# Altium PCB PCB2.PcbDoc (part 1 of 5)
Units mil, origin at the board's own origin, x right, y up, seen from the top; angles counter-clockwise.
Board outline 7251.01 x 4901 mil, 2 copper layers (Top Layer, Bottom Layer); 561 components, 222 nets, 3589 pads, 148 vias.
Unrouted connection lines stored in the file: 457.
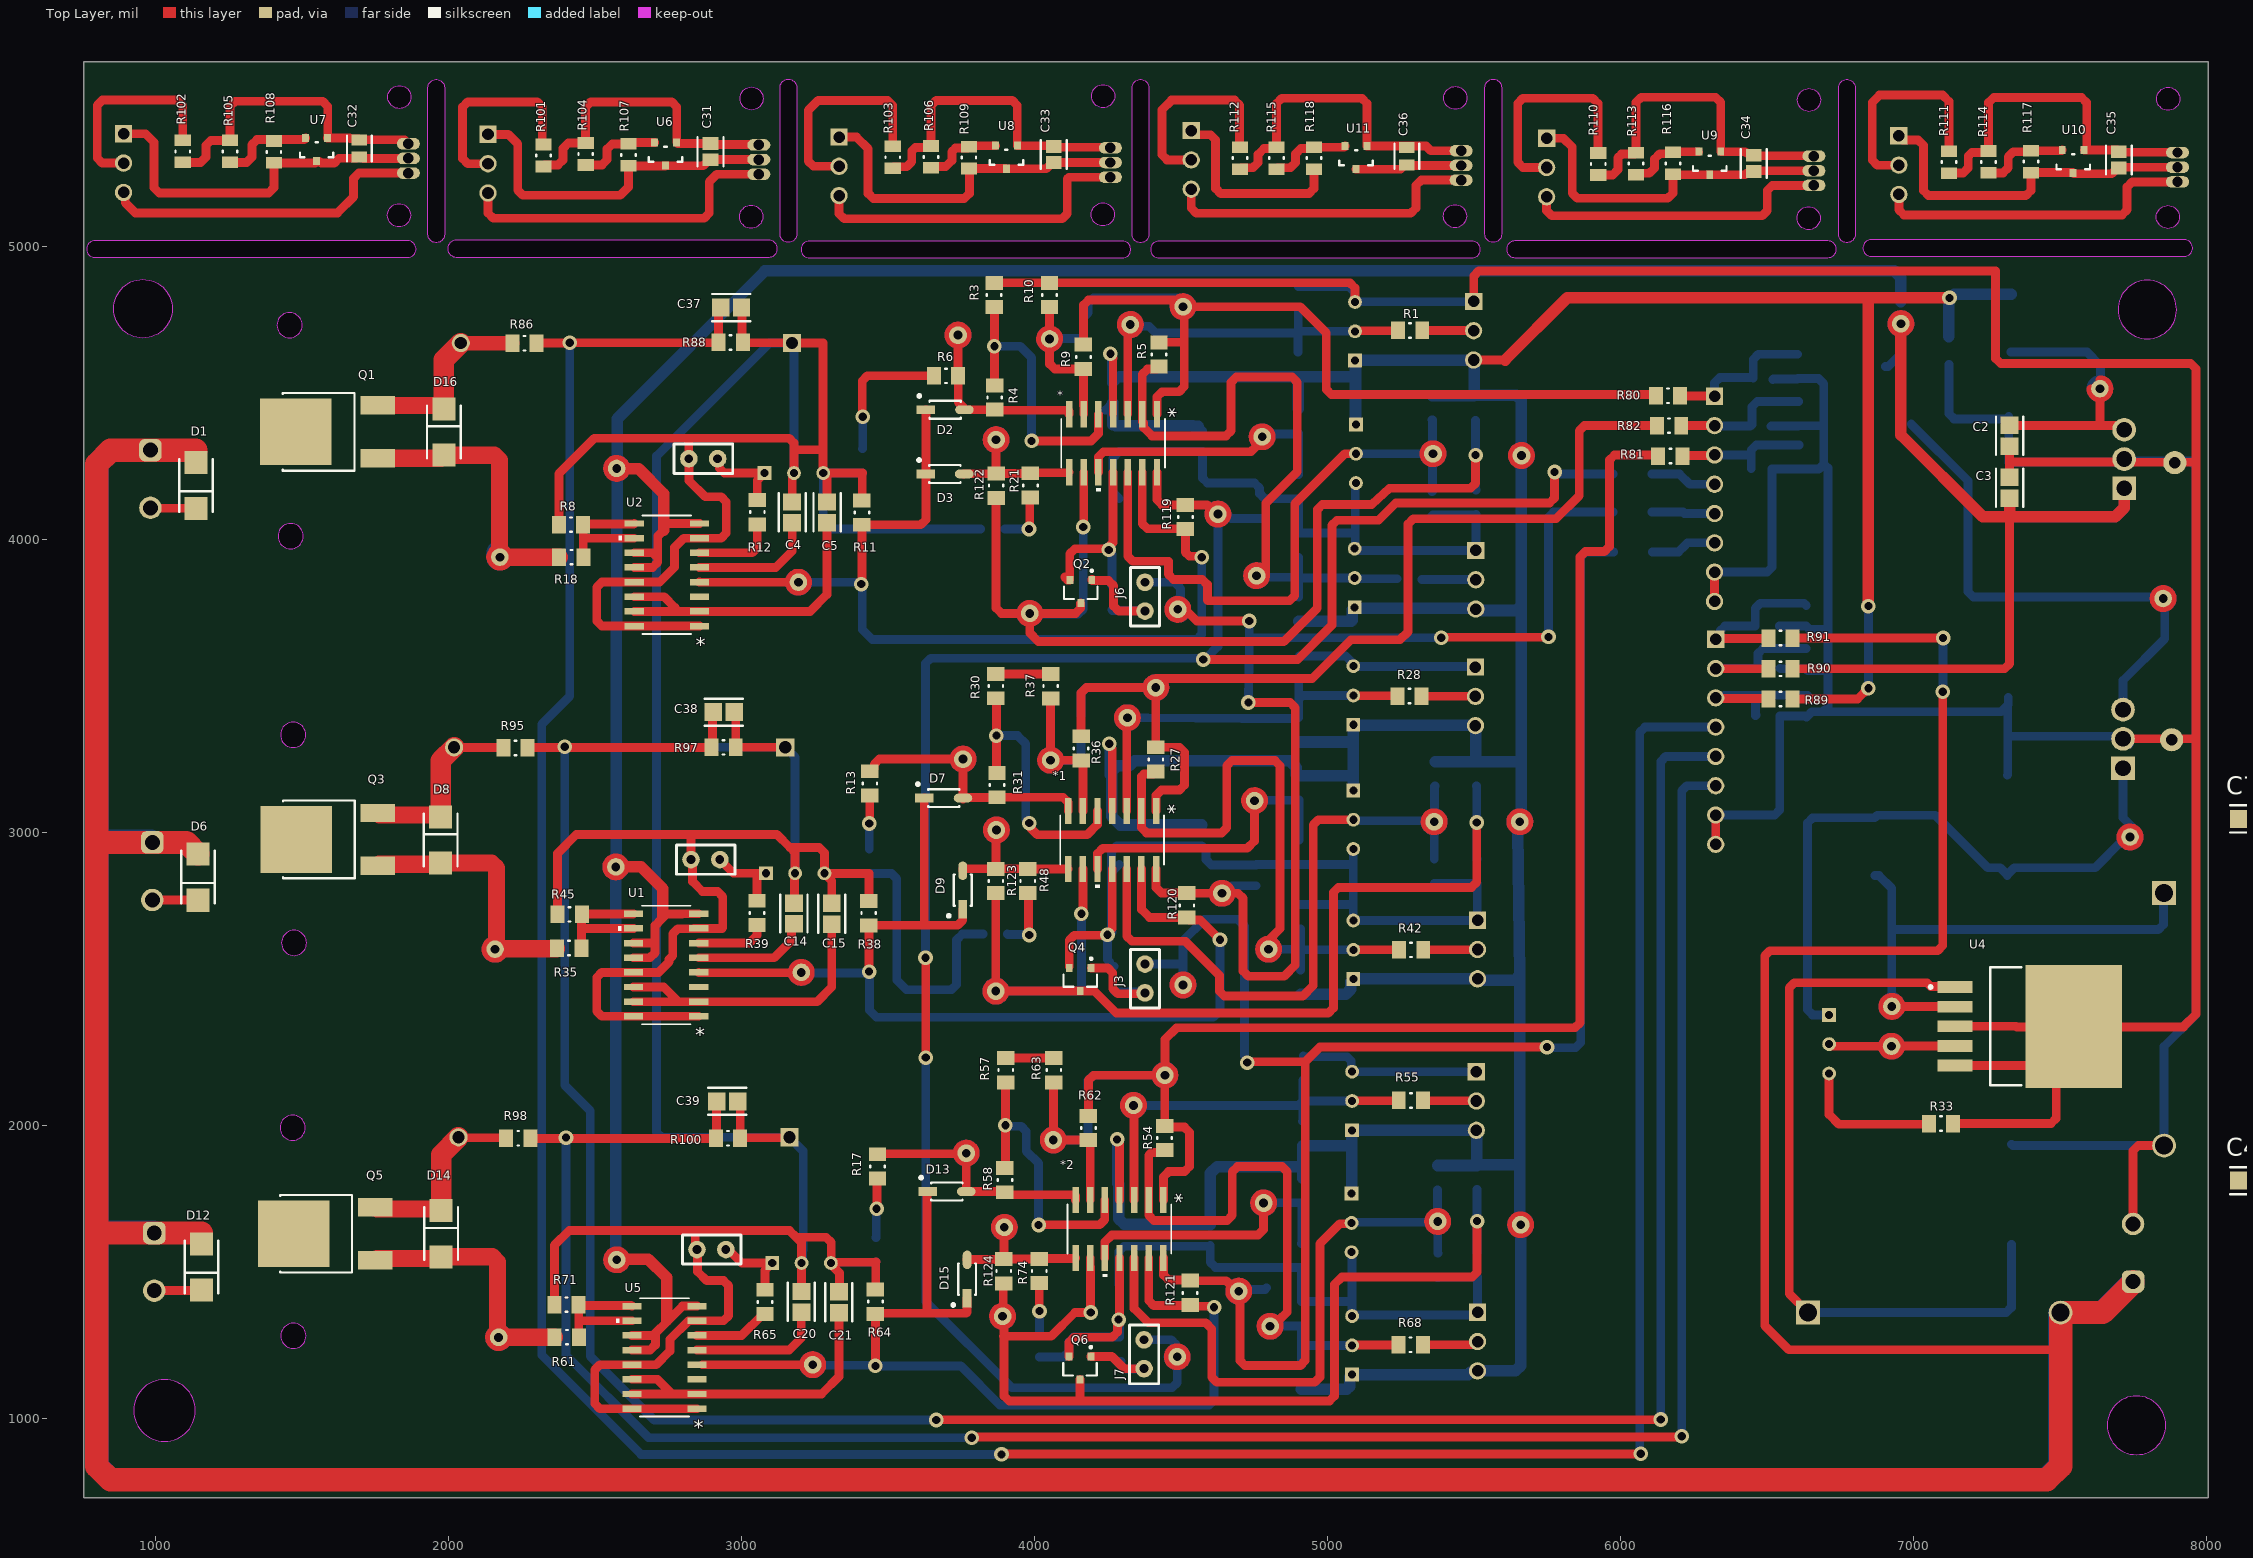
[diagram p0: Top Layer view]
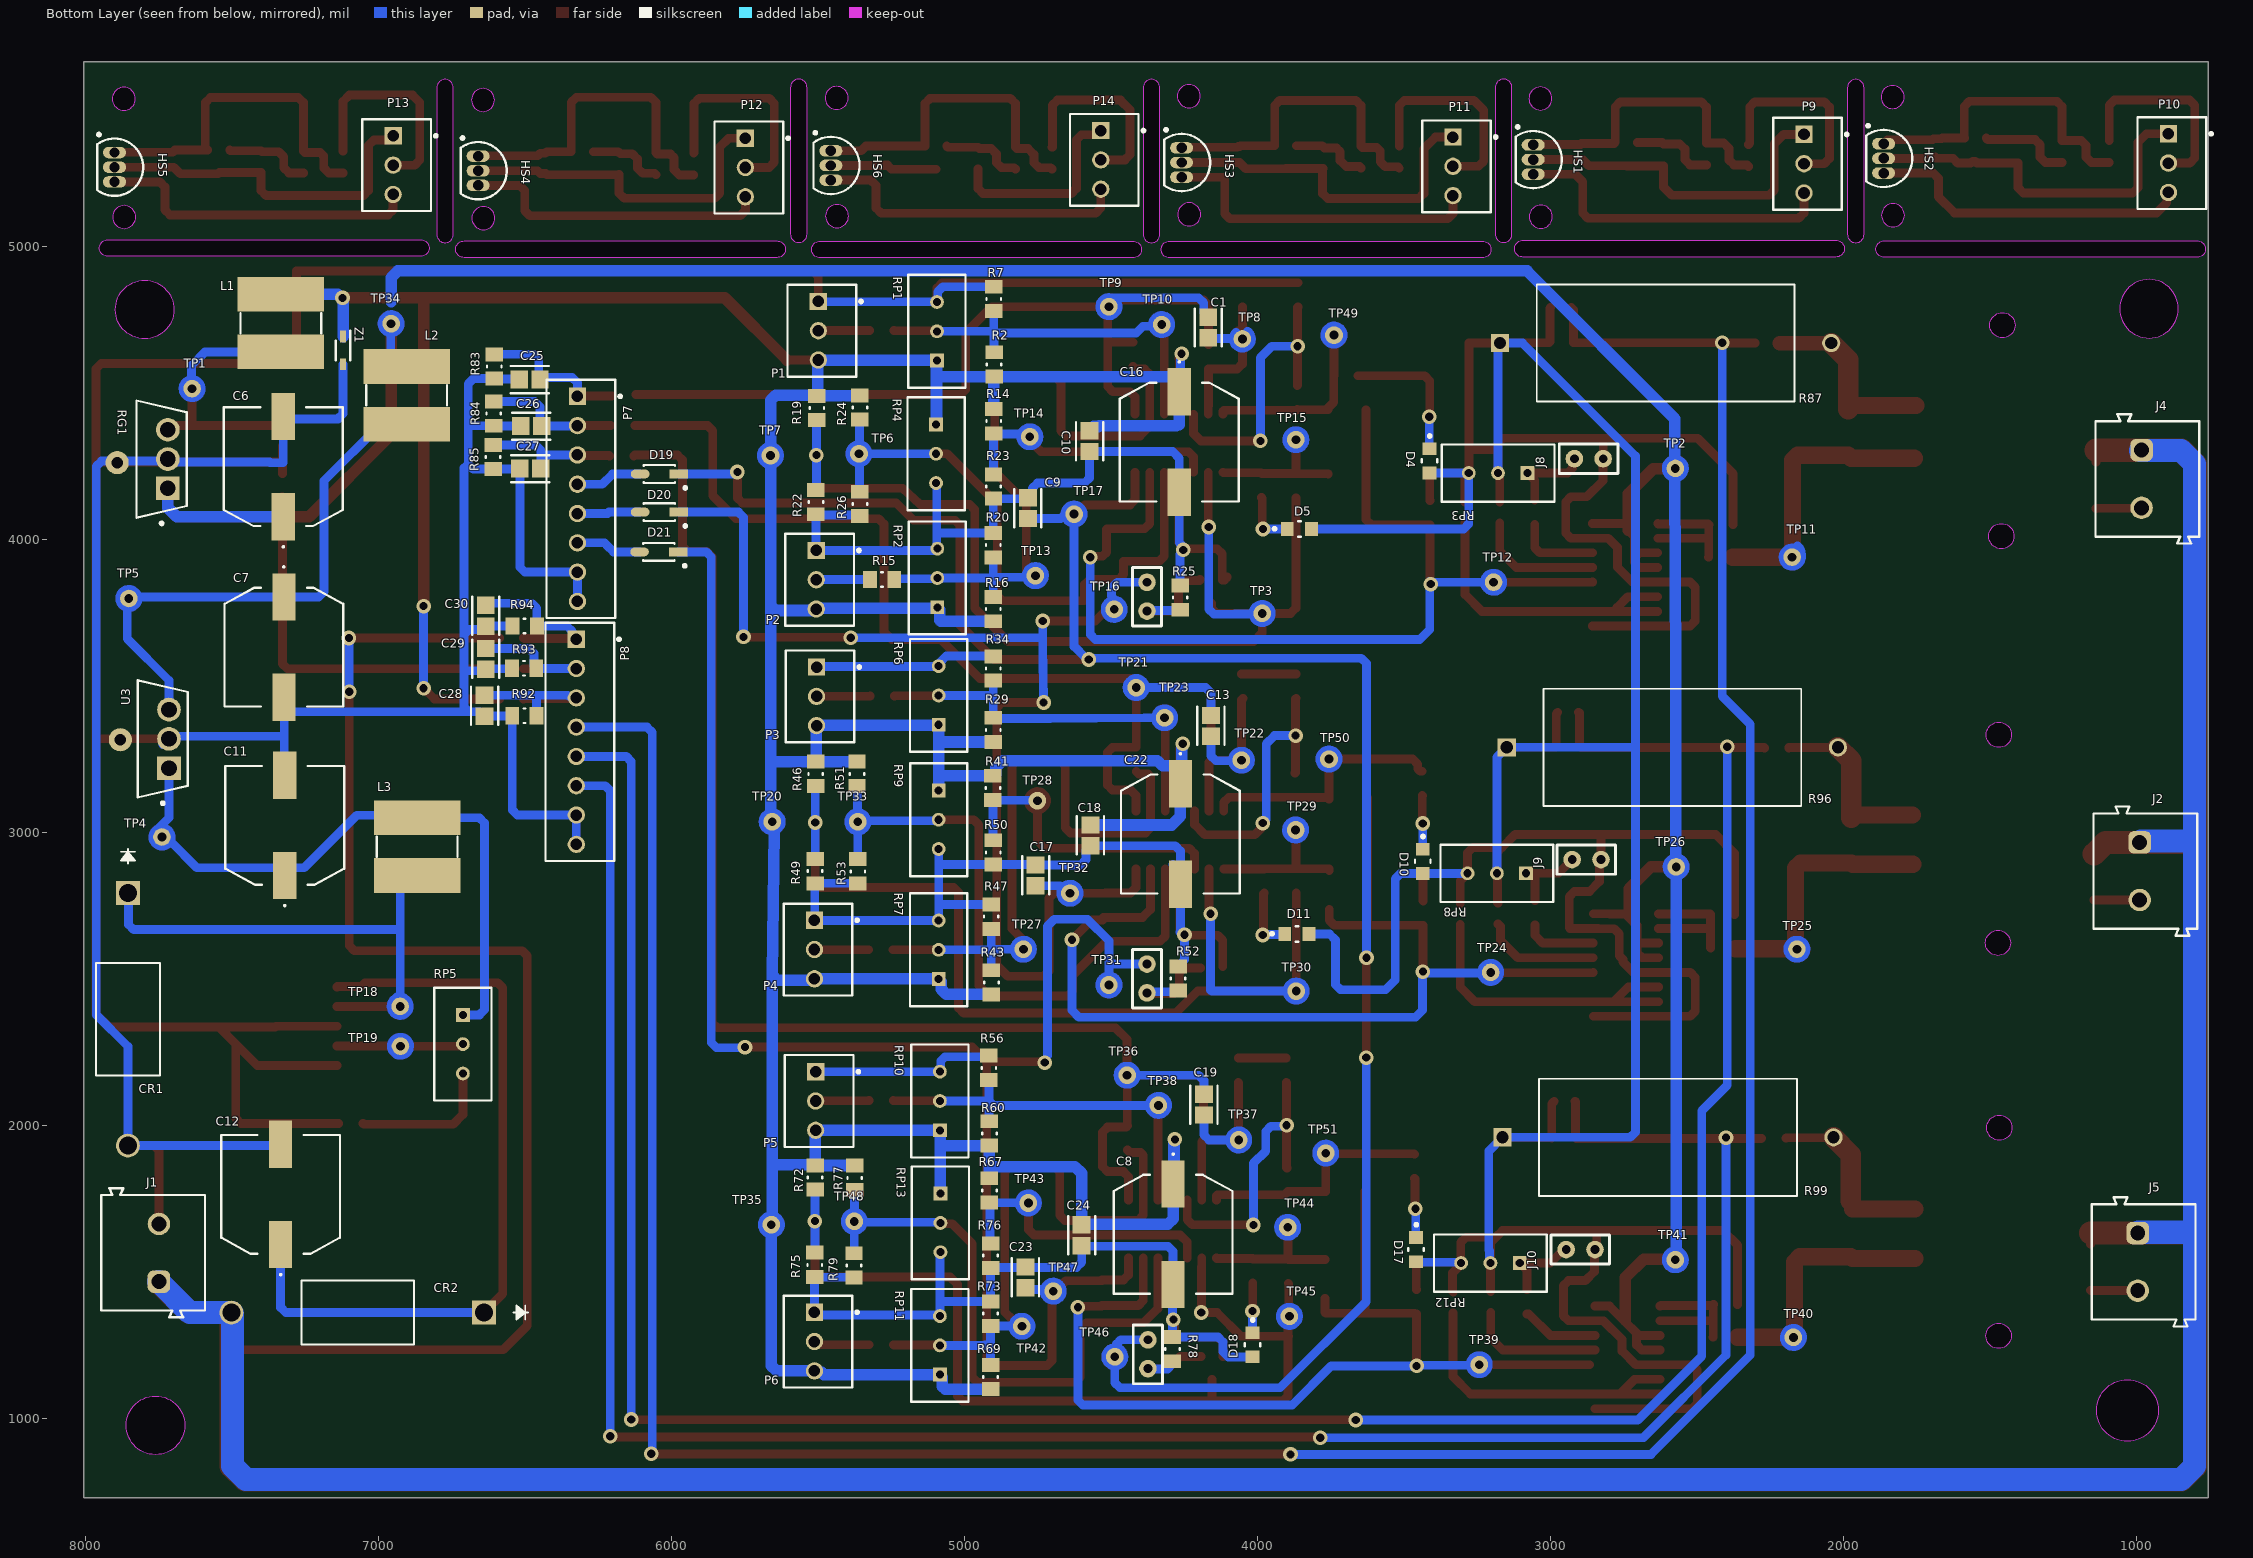
[diagram p1: Bottom Layer view, seen from below]

## Layer stack, top to bottom
Top Solder: solder mask 0.4, Solder Resist, Dk 3.5
Top Layer: signal copper 1.4
Dielectric 1: dielectric 12.6, FR-4, Dk 4.8
Bottom Layer: signal copper 1.4
Bottom Solder: solder mask 0.4, Solder Resist, Dk 3.5

## Board outline
754,728 754,5629 8005.01,5629 8005.01,728
cut-out: 4232,5068.63 cw(c4232,5108) 4192.63,5108 cw(c4232,5108) 4232,5147.37 cw(c4232,5108) 4271.37,5108 cw(c4232,5108)
cut-out: 4233.22,5472.09 cw(c4233.22,5511.46) 4193.85,5511.46 cw(c4233.22,5511.46) 4233.22,5550.83 cw(c4233.22,5511.46) 4272.59,5511.46 cw(c4233.22,5511.46)
cut-out: 4332.22,5039.79 4332.18,5540.02 cw(c4360.65,5540.02) 4389.12,5539.93 4389.17,5039.79 cw(c4360.69,5039.79)
cut-out: 1417.26,4009.68 ccw(c1460.27,4009.68) 1460.27,3966.67 ccw(c1460.27,4009.68) 1503.28,4009.68 ccw(c1460.27,4009.68) 1460.27,4052.7 ccw(c1460.27,4009.68)
cut-out: 3032,5060.63 cw(c3032,5100) 2992.63,5100 cw(c3032,5100) 3032,5139.37 cw(c3032,5100) 3071.37,5100 cw(c3032,5100)
cut-out: 3033.22,5464.09 cw(c3033.22,5503.46) 2993.85,5503.46 cw(c3033.22,5503.46) 3033.22,5542.83 cw(c3033.22,5503.46) 3072.59,5503.46 cw(c3033.22,5503.46)
cut-out: 3230.78,4959.53 4299,4959.52 ccw(c4299,4988) 4299,5016.47 3230.87,5016.47 ccw(c3230.78,4988)
cut-out: 4423.78,4959.53 5492,4959.52 ccw(c5492,4988) 5492,5016.47 4423.87,5016.47 ccw(c4423.78,4988)
cut-out: 2024.78,4962.53 3093,4962.52 ccw(c3093,4991) 3093,5019.47 2024.87,5019.47 ccw(c2024.78,4991)
cut-out: 3130.42,5040.79 3130.38,5541.02 cw(c3158.85,5541.02) 3187.32,5540.93 3187.37,5040.79 cw(c3158.89,5040.79)
cut-out: 1423.88,1990.76 ccw(c1466.9,1990.76) 1466.9,1947.75 ccw(c1466.9,1990.76) 1509.91,1990.76 ccw(c1466.9,1990.76) 1466.9,2033.77 ccw(c1466.9,1990.76)
cut-out: 1413.57,4729.76 ccw(c1456.58,4729.76) 1456.58,4686.75 ccw(c1456.58,4729.76) 1499.6,4729.76 ccw(c1456.58,4729.76) 1456.58,4772.77 ccw(c1456.58,4729.76)
cut-out: 1831.22,5469.09 cw(c1831.22,5508.46) 1791.85,5508.46 cw(c1831.22,5508.46) 1831.22,5547.83 cw(c1831.22,5508.46) 1870.59,5508.46 cw(c1831.22,5508.46)
cut-out: 792,4961.04 1860.22,4961.04 ccw(c1860.22,4989.52) 1860.22,5017.99 792.09,5017.99 ccw(c792,4989.52)
cut-out: 1830,5065.63 cw(c1830,5105) 1790.63,5105 cw(c1830,5105) 1830,5144.37 cw(c1830,5105) 1869.37,5105 cw(c1830,5105)
cut-out: 1928.72,5039.79 1928.68,5540.02 cw(c1957.15,5540.02) 1985.62,5539.93 1985.67,5039.79 cw(c1957.19,5039.79)
cut-out: 956,4686 cw(c956,4786) 856,4786 cw(c956,4786) 956,4886 cw(c956,4786) 1056,4786 cw(c956,4786)
cut-out: 1428.73,2621.46 ccw(c1471.74,2621.46) 1471.74,2578.45 ccw(c1471.74,2621.46) 1514.75,2621.46 ccw(c1471.74,2621.46) 1471.74,2664.47 ccw(c1471.74,2621.46)
cut-out: 1425.88,3331.76 ccw(c1468.9,3331.76) 1468.9,3288.75 ccw(c1468.9,3331.76) 1511.91,3331.76 ccw(c1468.9,3331.76) 1468.9,3374.77 ccw(c1468.9,3331.76)
cut-out: 1426.73,1280.46 ccw(c1469.74,1280.46) 1469.74,1237.45 ccw(c1469.74,1280.46) 1512.75,1280.46 ccw(c1469.74,1280.46) 1469.74,1323.47 ccw(c1469.74,1280.46)
cut-out: 924.88,1026 ccw(c1030,1026) 1030,920.88 ccw(c1030,1026) 1135.12,1026 ccw(c1030,1026) 1030,1131.12 ccw(c1030,1026)
cut-out: 5638.78,4960.53 6707,4960.52 ccw(c6707,4989) 6707,5017.47 5638.87,5017.47 ccw(c5638.78,4989)
cut-out: 5435.22,5466.09 cw(c5435.22,5505.46) 5395.85,5505.46 cw(c5435.22,5505.46) 5435.22,5544.83 cw(c5435.22,5505.46) 5474.59,5505.46 cw(c5435.22,5505.46)
cut-out: 5434,5062.63 cw(c5434,5102) 5394.63,5102 cw(c5434,5102) 5434,5141.37 cw(c5434,5102) 5473.37,5102 cw(c5434,5102)
cut-out: 5536.22,5040.79 5536.18,5541.02 cw(c5564.65,5541.02) 5593.12,5540.93 5593.17,5040.79 cw(c5564.69,5040.79)
cut-out: 7867,5059.63 cw(c7867,5099) 7827.63,5099 cw(c7867,5099) 7867,5138.37 cw(c7867,5099) 7906.37,5099 cw(c7867,5099)
cut-out: 7868.22,5463.09 cw(c7868.22,5502.46) 7828.85,5502.46 cw(c7868.22,5502.46) 7868.22,5541.83 cw(c7868.22,5502.46) 7907.59,5502.46 cw(c7868.22,5502.46)
cut-out: 6854.78,4964.53 7923,4964.52 ccw(c7923,4993) 7923,5021.47 6854.87,5021.47 ccw(c6854.78,4993)
cut-out: 6743.22,5039.79 6743.18,5540.02 cw(c6771.65,5540.02) 6800.12,5539.93 6800.17,5039.79 cw(c6771.69,5039.79)
cut-out: 7697,4783 ccw(c7797,4783) 7797,4683 ccw(c7797,4783) 7897,4783 ccw(c7797,4783) 7797,4883 ccw(c7797,4783)
cut-out: 6641,5055.63 cw(c6641,5095) 6601.63,5095 cw(c6641,5095) 6641,5134.37 cw(c6641,5095) 6680.37,5095 cw(c6641,5095)
cut-out: 6642.22,5459.09 cw(c6642.22,5498.46) 6602.85,5498.46 cw(c6642.22,5498.46) 6642.22,5537.83 cw(c6642.22,5498.46) 6681.59,5498.46 cw(c6642.22,5498.46)
cut-out: 7660,975 ccw(c7760,975) 7760,875 ccw(c7760,975) 7860,975 ccw(c7760,975) 7760,1075 ccw(c7760,975)

## Design rules (kind name [scope] priority, off if disabled: settings)
Clearance [All] p1: gap=10 ignorepadtopadclearanceinfootprint=FALSE except(0: Arc-Hole Track-Hole SMDPad-Hole THPad-Hole Via-Hole Fill-Hole Poly-Hole Region-Hole Text-Hole)
PolygonConnect [All] p1: connectstyle=Relief reliefconductorwidth=10 reliefentries=4 polygonreliefangle="90 Angle" airgapwidth=10
RoomDefinition Dual_chanel [InComponentClass('Dual_chanel')] p1: confinementstyle=ConfineIn formatcopy=TRUE lockcomponents=FALSE outline 0,615 67760,615 67760,5930 0,5930
RoutingVias [All] p1: holewidth=28 width=50 viastyle="Through Hole" minholewidth=28 minwidth=50 maxholewidth=28 maxwidth=50
SolderMaskExpansion [All] p1: expansion=4 istentingtop=FALSE
Width [All] p1: maxlimit=10 minlimit=10 preferedwidth=10
30 further rules are at their usual default settings.

## Classes and differential pairs
component class "levit_0.1 ": * *1 *2 C1 C2 C3 C4 C5 C6 C7 C8 C9 C10 C11 C12 C13 C14 C15 C16 C17 C18 C19 C20 C21 C22 C23 C24 C25 C26 C27 C28 C29 C30 C31 C32 C33 C34 C35 C36 C37 C38 C39 CR1 CR2 D1 D2 D3 D4 D5 D6 D7 D8 D9 D10 D11 D12 D13 D14 D15 D16 D17 D18 D19 D20 D21 HS1 HS2 HS3 HS4 HS5 HS6 J1 J2 J3 J4 J5 J6 J7 J8 J9 J10 L1 L2 L3 P1 P2 P3 P4 P5 P6 P7 P8 P9 P10 P11 P12 P13 P14 Q1 Q2 Q3 Q4 Q5 Q6 R1 R2 R3 R4 R5 R6 R7 R8 R9 R10 R11 R12 R13 R14 R15 R16 R17 R18 R19 R20 R21 R22 R23 R24 R25 R26 R27 R28 R29 R30 R31 R33 R34 R35 R36 R37 R38 R39 R41 R42 R43 R45 R46 R47 R48 R49 R50 R51 R52 R53 R54 R55 R56 R57 R58 R60 R61 R62 R63 R64 R65 R67 R68 R69 R71 R72 R73 R74 R75 R76 R77 R78 R79 R80 R81 R82 R83 R84 R85 R86 R87 R88 R89 R90 R91 R92 R93 R94 R95 R96 R97 R98 R99 R100 R101 R102 R103 R104 R105 R106 R107 R108 R109 R110 R111 R112 R113 R114 R115 R116 R117 R118 R119 R120 R121 R122 R123 R124 RG1 RP1 RP2 RP3 RP4 RP5 RP6 RP7 RP8 RP9 RP10 RP11 RP12 RP13 TP1 TP2 TP3 TP4 TP5 TP6 TP7 TP8 TP9 TP10 TP11 TP12 TP13 TP14 TP15 TP16 TP17 TP18 TP19 TP20 TP21 TP22 TP23 TP24 TP25 TP26 TP27 TP28 TP29 TP30 TP31 TP32 TP33 TP34 TP35 TP36 TP37 TP38 TP39 TP40 TP41 TP42 TP43 TP44 TP45 TP46 TP47 TP48 TP49 TP50 TP51 U1 U2 U3 U4 U5 U6 U7 U8 U9 U10 U11 Z1
component class Dual_chanel: *3 *4 *5 C40 C41 C42 C43 C44 C45 C46 C47 C48 C49 C50 C51 C52 C53 C54 C55 C56 C57 C58 C59 C60 C61 C62 C63 C64 C65 C66 C67 C68 C69 C70 C71 C72 C73 C74 C75 C76 C77 C78 C79 CR3 CR4 D22 D23 D24 D25 D26 D27 D28 D29 D30 D31 D32 D33 D34 D35 D36 HS7 HS8 HS9 HS10 HS11 HS12 J11 J12 J13 J14 J15 J16 J17 J18 J19 J20 L4 L5 L6 P15 P16 P17 P18 P19 P20 P21 P22 P23 P24 P25 P26 P27 P28 Q7 Q8 Q9 Q10 Q11 Q12 Q13 Q14 Q15 R32 R40 R44 R59 R66 R70 R125 R126 R127 R128 R129 R130 R131 R132 R133 R134 R135 R136 R137 R138 R139 R140 R141 R142 R143 R144 R145 R146 R147 R148 R149 R150 R151 R152 R153 R154 R155 R156 R157 R158 R159 R160 R161 R162 R163 R164 R165 R166 R167 R168 R169 R170 R171 R172 R173 R174 R175 R176 R177 R178 R179 R180 R181 R182 R183 R184 R185 R186 R187 R188 R189 R190 R191 R192 R193 R194 R195 R196 R197 R198 R199 R200 R201 R202 R203 R204 R205 R206 R207 R208 R209 R210 R211 R212 R213 R214 R215 R216 R217 R218 R219 R220 R221 R222 R223 R224 R225 R226 R227 R228 R229 R230 R231 R232 R233 R234 R235 R236 R237 R238 R239 R240 R241 R242 RG2 RP14 RP15 RP16 RP17 RP18 RP19 RP20 RP21 RP22 RP23 RP24 RP25 RP26 TP52 TP53 TP54 TP55 TP56 TP57 TP58 TP59 TP60 TP61 TP62 TP63 TP64 TP65 TP66 TP67 TP68 TP69 TP70 TP71 TP72 TP73 TP74 TP75 TP76 TP77 TP78 TP79 TP80 TP81 TP82 TP83 TP84 TP85 TP86 TP87 TP88 TP89 TP90 TP91 TP92 TP93 TP94 TP95 TP96 TP97 TP98 TP99 TP100 TP101 TP102 TP103 TP104 TP105 U12 U13 U14 U15 U16 U17 U18 U19 U20 U21 U22 Z2

## Components (designator, comment, footprint, x,y, rotation, side; value= is the part's Value field where it differs from the comment)
* "LM324AD_SOIC14" D14-M 4267,4327 r270 top
*1 "LM324AD_SOIC14" D14-M 4264,2972.97 r270 top
*2 "LM324AD_SOIC14" D14-M 4289,1645.03 r270 top
*3 "LM324AD_SOIC14" D14-M 17080,1655 r0 top (schematic designator *1)
*4 "LM324AD_SOIC14" D14-M 50690,2890 r0 top (schematic designator *2)
*5 "LM324AD_SOIC14" D14-M 23245,2890 r0 top (schematic designator *3)
C1 "1u" KEMET_C0805C-DN_IPC_A 4167,4722 r270 bottom
C2 "10n" KEMET_C0805C-DN_IPC_A 7327,4352.54 r270 top value=10uF
C3 "100n" KEMET_C0805C-DN_IPC_A 7327,4175 r90 top value=10uF
C4 "UWX1E101MCL1GB" KEMET_C0805C-DN_IPC_A 3172,4091 r270 top
C5 "UWX1E101MCL1GB" KEMET_C0805C-DN_IPC_A 3291,4091 r90 top
C6 "EEE1HA101AP" EEEFK1V331P 7324,4247 r180 bottom
C7 "EEE1HA101AP" EEEFK1V331P 7322,3631 r0 bottom
C8 "EEE1HA101AP" EEEFK1V331P 4287,1627.26 r0 bottom
C9 "1u" KEMET_C0805C-DN_IPC_A 4783,4105.54 r270 bottom
C10 "1u" KEMET_C0805C-DN_IPC_A 4572,4334 r90 bottom
C11 "EEE1HA101AP" EEEFK1V331P 7319,3022.74 r180 bottom
C12 "EEE1HA101AP" EEEFK1V331P 7333,1763.26 r180 bottom
C13 "1u" KEMET_C0805C-DN_IPC_A 4158,3362.46 r270 bottom
C14 "UWX1E101MCL1GB" KEMET_C0805C-DN_IPC_A 3178,2722 r270 top
C15 "UWX1E101MCL1GB" KEMET_C0805C-DN_IPC_A 3307,2721 r90 top
C16 "EEE1HA101AP" EEEFK1V331P 4266,4331 r0 bottom
C17 "1u" KEMET_C0805C-DN_IPC_A 4756,2852 r270 bottom
C18 "1u" KEMET_C0805C-DN_IPC_A 4569,2988.46 r90 bottom
C19 "1u" KEMET_C0805C-DN_IPC_A 4182,2069.46 r270 bottom
C20 "UWX1E101MCL1GB" KEMET_C0805C-DN_IPC_A 3203,1396.54 r270 top
C21 "UWX1E101MCL1GB" KEMET_C0805C-DN_IPC_A 3331,1395 r90 top
C22 "EEE1HA101AP" EEEFK1V331P 4262,2993.26 r0 bottom
C23 "1u" KEMET_C0805C-DN_IPC_A 4791,1480 r270 bottom
C24 "1u" KEMET_C0805C-DN_IPC_A 4599,1624 r90 bottom
C25 "100pF" KEMET_C0805C-DN_IPC_A 6483,4544 r180 bottom
C26 "100pF" KEMET_C0805C-DN_IPC_A 6477.54,4385 r180 bottom
C27 "100pF" KEMET_C0805C-DN_IPC_A 6481,4240 r180 bottom
C28 "100pF" KEMET_C0805C-DN_IPC_A 6637,3431 r90 bottom
C29 "100pF" KEMET_C0805C-DN_IPC_A 6633,3591 r90 bottom
C30 "100pF" KEMET_C0805C-DN_IPC_A 6633,3738 r90 bottom
C31 "0.1uF" KEMET_C0805C-DN_IPC_C 2893,5322 r90 top
C32 "0.1uF" KEMET_C0805C-DN_MFG 1695,5333 r90 top
C33 "0.1uF" KEMET_C0805C-DN_IPC_C 4065,5312.41 r90 top
C34 "0.1uF" KEMET_C0805C-DN_IPC_C 6454,5282 r90 top
C35 "0.1uF" KEMET_C0805C-DN_IPC_C 7700,5294 r90 top
C36 "0.1uF" KEMET_C0805C-DN_MFG 5270,5306 r90 top
C37 "100pF" KEMET_C0805C-DN_IPC_A 2963.46,4790 r180 top
C38 "100pF" KEMET_C0805C-DN_IPC_A 2938.54,3409 r180 top
C39 "100pF" KEMET_C0805C-DN_IPC_A 2950.54,2081 r180 top
C40 "1u" KEMET_C0805C-DN_IPC_A 17395,1810 r0 top (schematic designator C1)
C41 "100pF" KEMET_C0805C-DN_IPC_A 13680,1810 r0 top (schematic designator C2)
C42 "100pF" KEMET_C0805C-DN_IPC_A 13170,1810 r0 top (schematic designator C3)
C43 "100pF" KEMET_C0805C-DN_IPC_A 12595,1810 r0 top (schematic designator C4)
C44 "10n" KEMET_C0805C-DN_IPC_A 10465,1810 r0 top value=10uF (schematic designator C5)
C46 "100n" KEMET_C0805C-DN_IPC_A 10235,1810 r0 top value=10uF (schematic designator C7)
C47 "UWX1E101MCL1GB" KEMET_C0805C-DN_IPC_A 8145,1810 r0 top (schematic designator C8)
C48 "UWX1E101MCL1GB" KEMET_C0805C-DN_IPC_A 64060,3045 r0 top (schematic designator C9)
C49 "100pF" KEMET_C0805C-DN_IPC_A 62120,3045 r0 top (schematic designator C10)
C53 "1u" KEMET_C0805C-DN_IPC_A 57250,3045 r0 top (schematic designator C14)
C54 "1u" KEMET_C0805C-DN_IPC_A 57020,3045 r0 top (schematic designator C15)
C55 "100pF" KEMET_C0805C-DN_IPC_A 56325,3045 r0 top (schematic designator C16)
C56 "100pF" KEMET_C0805C-DN_IPC_A 56555,3045 r0 top (schematic designator C17)
C57 "100pF" KEMET_C0805C-DN_IPC_A 56785,3045 r0 top (schematic designator C18)
C59 "1u" KEMET_C0805C-DN_IPC_A 51010,3045 r0 top (schematic designator C20)
C60 "UWX1E101MCL1GB" KEMET_C0805C-DN_IPC_A 43815,3045 r0 top (schematic designator C21)
C61 "0.1uF" KEMET_C0805C-DN_IPC_C 40505,3050 r0 top (schematic designator C22)
C62 "0.1uF" KEMET_C0805C-DN_MFG 40045,3055 r0 top (schematic designator C23)
C63 "0.1uF" KEMET_C0805C-DN_IPC_C 40275,3050 r0 top (schematic designator C24)
C64 "UWX1E101MCL1GB" KEMET_C0805C-DN_IPC_A 37835,3045 r0 top (schematic designator C25)
C65 "100pF" KEMET_C0805C-DN_IPC_A 35655,3045 r0 top (schematic designator C26)
C67 "1u" KEMET_C0805C-DN_IPC_A 29870,3045 r0 top (schematic designator C28)
C68 "1u" KEMET_C0805C-DN_IPC_A 28770,3045 r0 top (schematic designator C29)
C69 "0.1uF" KEMET_C0805C-DN_IPC_C 28280,3050 r0 top (schematic designator C30)
C70 "0.1uF" KEMET_C0805C-DN_IPC_C 28510,3050 r0 top (schematic designator C31)
C71 "0.1uF" KEMET_C0805C-DN_MFG 28075,3055 r0 top (schematic designator C32)
C72 "1u" KEMET_C0805C-DN_IPC_A 23840,3045 r0 top (schematic designator C33)
C74 "UWX1E101MCL1GB" KEMET_C0805C-DN_IPC_A 18100,3045 r0 top (schematic designator C35)
C75 "UWX1E101MCL1GB" KEMET_C0805C-DN_IPC_A 14095,3045 r0 top (schematic designator C36)
C76 "100pF" KEMET_C0805C-DN_IPC_A 12675,3045 r0 top (schematic designator C37)
C78 "1u" KEMET_C0805C-DN_IPC_A 8375,3045 r0 top (schematic designator C39)
C79 "1u" KEMET_C0805C-DN_IPC_A 8145,3045 r0 top (schematic designator C40)
CR1 "1N5822RL" DO-201AD_STM 7854,2792 r270 bottom
CR2 "1N5822RL" DO-201AD_STM 6639,1360 r0 bottom
CR3 "1N5822RL" DO-201AD_STM 55250,2185 r90 top (schematic designator CR1)
CR4 "1N5822RL" DO-201AD_STM 54670,2185 r90 top (schematic designator CR2)
D1 "SS16" ON_Semi_403D_MFG 1137,4183 r90 top
D2 "1N4148W-7-F" Vishay_S8-V-3910_01-001_IPC_A 3694,4441 r0 top
D3 "1N4148W-7-F" Vishay_S8-V-3910_01-001_IPC_A 3693,4222 r0 top
D4 "LED2" Wurth_Electronics_0_MFG 3412,4267 r270 bottom
D5 "LED2" Wurth_Electronics_0_MFG 3856,4034 r180 bottom
D6 "SS16" ON_Semi_403D_MFG 1144,2846 r90 top
D7 "1N4148W-7-F" Vishay_S8-V-3910_01-001_IPC_A 3689,3116 r0 top
D8 "SS16" ON_Semi_403D_MFG 1972,2973 r270 top
D9 "1N4148W-7-F" Vishay_S8-V-3910_01-001_IPC_A 3754,2802 r90 top
D10 "LED2" Wurth_Electronics_0_MFG 3435,2900 r270 bottom
D11 "LED2" Wurth_Electronics_0_MFG 3864.66,2652 r180 bottom
D12 "SS16" ON_Semi_403D_MFG 1156,1515 r90 top
D13 "1N4148W-7-F" Vishay_S8-V-3910_01-001_IPC_A 3700.03,1773 r0 top
D14 "SS16" ON_Semi_403D_MFG 1974,1629 r270 top
D15 "1N4148W-7-F" Vishay_S8-V-3910_01-001_IPC_A 3769,1474 r90 top
D16 "SS16" ON_Semi_403D_MFG 1983,4365 r270 top
D17 "LED2" Wurth_Electronics_0_MFG 3458,1575 r270 bottom
D18 "LED2" Wurth_Electronics_0_MFG 4016,1250 r270 bottom
D19 "1N4148W-7-F" Vishay_S8-V-3910_01-001_IPC_A 6040.03,4222 r0 bottom
D20 "1N4148W-7-F" Vishay_S8-V-3910_01-001_IPC_A 6040.03,4092 r0 bottom
D21 "1N4148W-7-F" Vishay_S8-V-3910_01-001_IPC_A 6042.03,3956 r0 bottom
D23 "1N4148W-7-F" Vishay_S8-V-3910_01-001_IPC_A 11505,1745 r90 top (schematic designator D2)
D24 "LED2" Wurth_Electronics_0_MFG 9955,1795 r90 top (schematic designator D3)
D25 "1N4148W-7-F" Vishay_S8-V-3910_01-001_IPC_A 9195,1745 r90 top (schematic designator D4)
D27 "1N4148W-7-F" Vishay_S8-V-3910_01-001_IPC_A 66190,2980 r90 top (schematic designator D6)
D28 "LED2" Wurth_Electronics_0_MFG 59375,3030 r90 top (schematic designator D7)
D29 "1N4148W-7-F" Vishay_S8-V-3910_01-001_IPC_A 47175,2980 r90 top (schematic designator D8)
D30 "LED2" Wurth_Electronics_0_MFG 45390,3030 r90 top (schematic designator D9)
D31 "1N4148W-7-F" Vishay_S8-V-3910_01-001_IPC_A 42955,2980 r90 top (schematic designator D10)
D32 "LED2" Wurth_Electronics_0_MFG 32880,3030 r90 top (schematic designator D11)
D33 "1N4148W-7-F" Vishay_S8-V-3910_01-001_IPC_A 19980,2980 r90 top (schematic designator D12)
D34 "LED2" Wurth_Electronics_0_MFG 19435,3030 r90 top (schematic designator D13)
D35 "1N4148W-7-F" Vishay_S8-V-3910_01-001_IPC_A 17495,2980 r90 top (schematic designator D14)
D36 "LED2" Wurth_Electronics_0_MFG 9740,3030 r90 top (schematic designator D15)
HS1 "Hall_Sensor" TO-92A 3058,5295 r0 bottom
HS2 "Hall_Sensor" TO-92A 1862,5299 r0 bottom
HS3 "Hall_Sensor" TO-92A 4258,5285 r0 bottom
HS4 "Hall_Sensor" TO-92A 6659,5257 r0 bottom
HS5 "Hall_Sensor" TO-92A 7900,5269 r0 bottom
HS6 "Hall_Sensor" TO-92A 5455,5275 r0 bottom
HS7 "Hall_Sensor" TO-92A 46990,3000 r0 top (schematic designator HS1)
HS8 "Hall_Sensor" TO-92A 45970,3000 r0 top (schematic designator HS2)
HS9 "Hall_Sensor" TO-92A 46480,3000 r0 top (schematic designator HS3)
HS10 "Hall_Sensor" TO-92A 31845,3000 r0 top (schematic designator HS4)
HS11 "Hall_Sensor" TO-92A 32415,3000 r0 top (schematic designator HS5)
HS12 "Hall_Sensor" TO-92A 31275,3000 r0 top (schematic designator HS6)
J1 "691103110003" 691101710002 7768,1564 r90 bottom
J2 "691101710002" 691101710002 968.31,2866.42 r270 bottom
J3 "Jumper 1x2.54" Jumper_2.54 4376,2549.43 r270 top
J4 "691101710002" 691101710002 962,4205 r270 bottom
J5 "691101710002" 691101710002 975,1533 r270 bottom
J6 "Jumper 1x2.54" Jumper_2.54 4376,3852.43 r270 top
J7 "Jumper 1x2.54" Jumper_2.54 4373,1267 r270 top
J8 "Jumper 1x2.54" Jumper_2.54 2819,4274 r0 bottom
J9 "Jumper 1x2.54" Jumper_2.54 2826.57,2906 r0 bottom
J10 "Jumper 1x2.54" Jumper_2.54 2847,1575 r0 bottom